# Altium PCB PA_8CH_CTRL.PcbDoc (part 9 of 11)
Units mil, origin at the board's own origin, x right, y up, seen from the top; angles counter-clockwise.
Board outline 15354.33 x 4330.71 mil, 4 copper layers (Component Side, Signal Layer 1, Power Plane, Solder Side), stack 63.149 mil thick; 907 components, 557 nets, 2683 pads, 1897 vias.
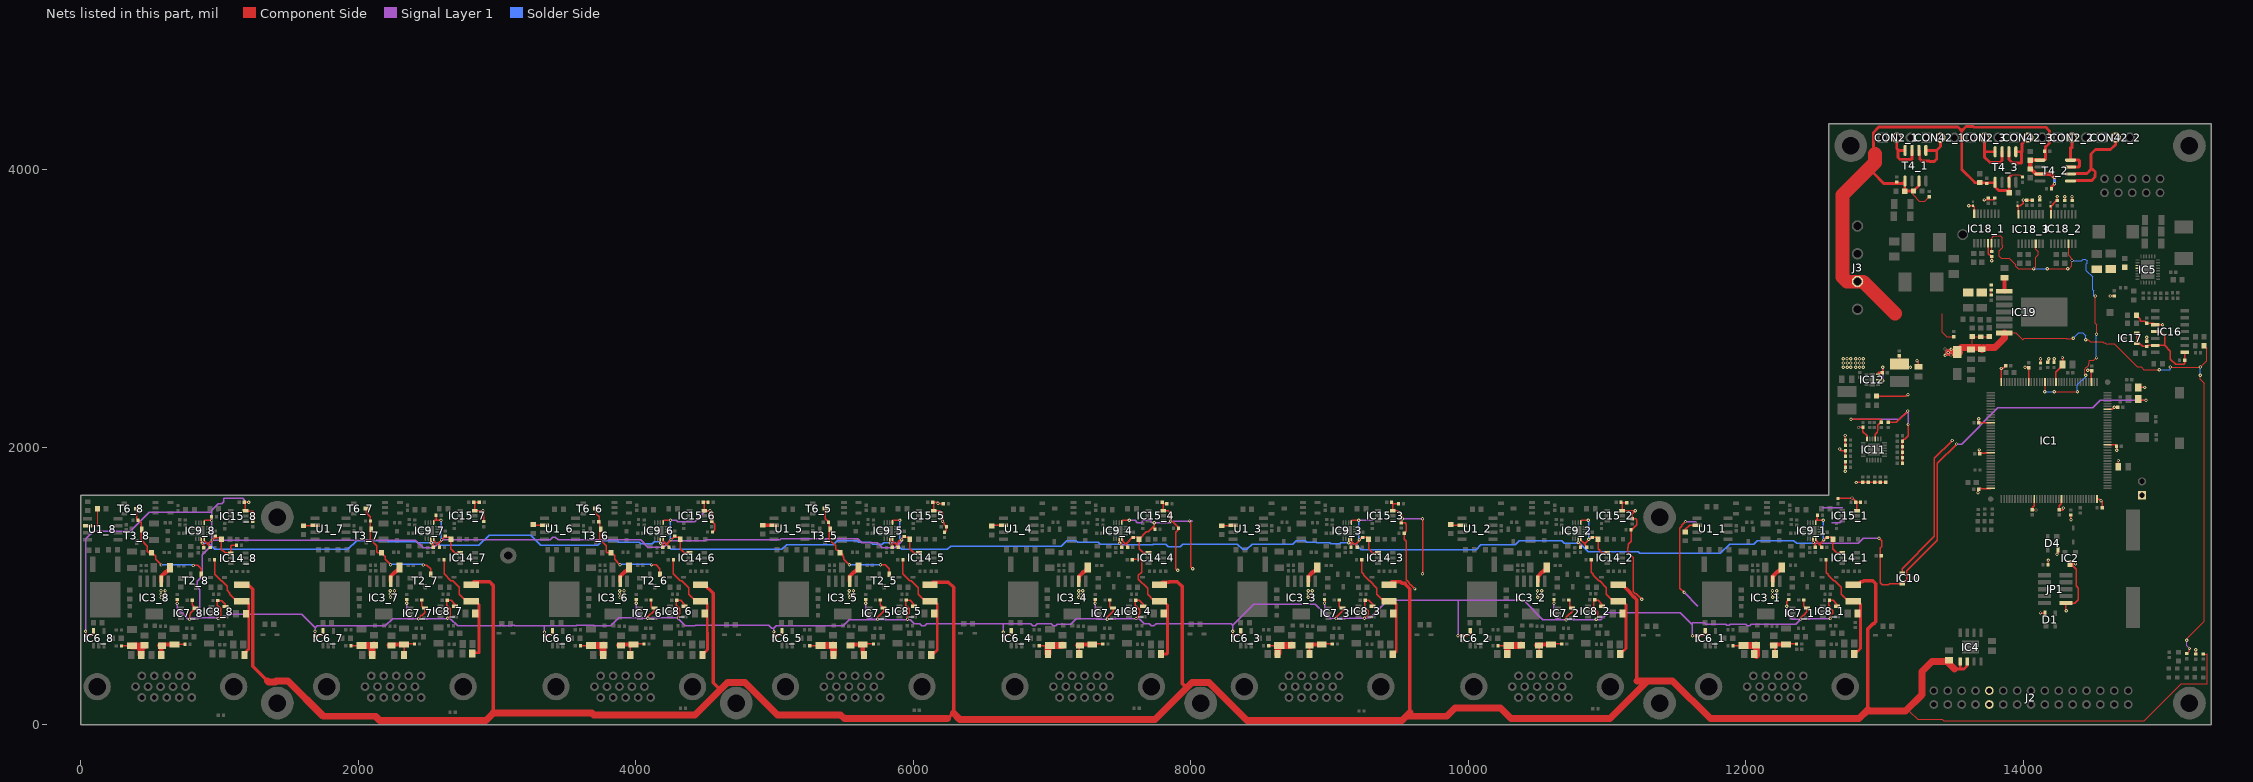
[diagram p11: the nets of this part, all layers, seen from the top]

## Via types
v1: diameter 23.62, hole 11.81, Component Side to Solder Side, tented both sides, 1569 vias
v2: diameter 23.62, hole 11.81, Component Side to Solder Side, 328 vias

## Nets (pads, with @x,y where several pads share a name; then routed paths per layer and width w, separated by ;. In a path a pad name is that pad's centre, name@x,y a point inside that pad or via, vN(x,y) a via of type N, cw(c..) or ccw(c..) an arc to the next point about the centre after c; other vN are vias at no path point) (continued)
NetR17_5_1: R17_5.1 R40_5.1 T2_5.1 T3_5.1 T6_5.3 | length 828.3
  Component Side w10: T6_5.3@5365.55,1559.29 5365.55,1486.65 5395.04,1457.17 5395.04,1334.73 5439.63,1290.14 5439.63,1265.59 5446.07,1259.14 5453.37,1259.14 5454.18,1258.33 5460.93,1258.33 5490,1229.26 5490,1220 5500.71,1209.29 5500.71,1194.11 5539.63,1155.18 v1(5539.63,1153.14) ; v1(5764,1155) 5798.84,1155 5828.03,1125.81 T2_5.1@5828.03,1085.28
  Solder Side w10: v1(5539.63,1153.14) 5762.14,1153.14 v1(5764,1155)
NetR17_6_1: R17_6.1 R40_6.1 T2_6.1 T3_6.1 T6_6.3 | length 840.1
  Component Side w10: T6_6.3@3712.01,1559.29 3712.01,1522.99 3735.66,1499.34 3735.66,1470.83 3741.5,1465 3741.5,1334.73 3786.09,1290.14 3786.09,1265.38 3787.22,1264.24 3787.22,1247.78 3795,1240 R17_6.1@3821.5,1240 ; R17_6.1@3821.5,1240.14 R17_6.1@3826.12,1240.14 ; R17_6.1@3825.98,1240 R17_6.1@3826.12,1240.14 ; v1(3886.09,1153.14) 3886.09,1155.18 3847.16,1194.11 3847.16,1219.09 R17_6.1@3826.12,1240.14 ; v1(4114,1153) 4147.3,1153 4174.49,1125.81 T2_6.1@4174.49,1085.28
  Solder Side w10: v1(3886.09,1153.14) 3889.71,1156.76 4110.24,1156.76 v1(4114,1153)
NetR17_7_1: R17_7.1 R40_7.1 T2_7.1 T3_7.1 T6_7.3 | length 837
  Component Side w10: T6_7.3@2058.46,1559.29 2058.46,1529.54 2087.95,1500.05 2087.95,1334.73 2132.54,1290.14 2132.54,1247.46 2139.86,1240.14 R17_7.1@2166.5,1240.14 ; R17_7.1@2166.5,1240 2193.62,1212.87 2193.62,1194.11 2232.54,1155.18 v1(2232.54,1153.14) ; v1(2469,1152) 2494.76,1152 2520.94,1125.81 T2_7.1@2520.94,1085.28
  Solder Side w10: v1(2232.54,1153.14) 2236.17,1156.76 2464.24,1156.76 v1(2469,1152)
NetR17_8_1: R17_8.1 R40_8.1 T2_8.1 T3_8.1 T6_8.3 | length 838.1
  Component Side w10: T6_8.3@404.92,1558.15 404.92,1485.51 434.41,1456.02 434.41,1333.59 479,1289 479,1251.27 479.5,1250.77 479.5,1250.5 490,1240 R17_8.1@511.5,1240 516.5,1240 538.31,1218.18 540.08,1218.18 540.08,1192.49 579,1153.56 v1(579,1152) ; v1(810,1149) 843.07,1149 867.4,1124.67 T2_8.1@867.4,1084.13
  Solder Side w10: v1(579,1152) 582.62,1155.62 803.38,1155.62 v1(810,1149)
NetR26_1: R26.1 R27.2 | length 35.8
  Component Side w6: R27.2@13769.68,3097.24 R26.1@13769.68,3133.07
NetR29_1_1: R29_1.1 U1_1.6 | length 115.6
  Component Side w10: R29_1.1@11564.96,1389.76 11564.96,1409.09 11594.49,1438.62 U1_1.6@11649.02,1438.62
NetR29_2_1: R29_2.1 U1_2.6 | length 82.9
  Component Side w10: R29_2.1@9875,1442.91 9879.29,1438.62 U1_2.6@9956.1,1438.62
NetR29_3_1: R29_3.1 U1_3.6 | length 79.6
  Component Side w10: R29_3.1@8224.41,1435.04 8298.98,1435.04 U1_3.6@8302.56,1438.62
NetR29_4_1: R29_4.1 U1_4.6 | length 87.7
  Component Side w10: R29_4.1@6563.98,1432.09 6570.51,1438.62 U1_4.6@6649.02,1438.62
NetR29_5_1: R29_5.1 U1_5.6 | length 81.2
  Component Side w25: R29_5.1@4914.37,1438.98 4995.12,1438.98 U1_5.6@4995.47,1438.62
NetR29_6_1: R29_6.1 U1_6.6 | length 83.9
  Component Side w10: R29_6.1@3259.84,1442.91 3264.13,1438.62 U1_6.6@3341.93,1438.62
NetR29_7_1: R29_7.1 U1_7.6 | length 84.6
  Component Side w10: R29_7.1@1605.32,1435.04 1684.8,1435.04 U1_7.6@1688.39,1438.62
NetR29_8_1: R29_8.1 U1_8.6 | length 194.2
  Component Side w8: U1_8.6@47.78,1435 112.17,1435 124.29,1447.13 124.29,1553.86 R29_8.1@120.08,1558.07
OVERN: IC1.56 IC18_1.14 IC18_2.14 IC18_3.14 R23.2 | length 2758.6
  Component Side w6: R23.2@13771.65,3412.2 13771.65,3469.59 IC18_1.14@13770.77,3470.47 13770.77,3506.99 13787.4,3523.62 13833.66,3523.62 13848.43,3508.86 13848.43,3457.68 13851.38,3454.72 13851.38,3441.93 13827.76,3418.31 13827.76,3377.45 13841.63,3363.57 13897.74,3363.57 13946.71,3314.59 13946.71,3304.34 13964.97,3286.09 v2(14074.8,3286.09) 14089.67,3300.95 14089.67,3370.74 14106.14,3387.21 14106.14,3409.76 14089.67,3426.24 IC18_3.14@14089.67,3466.54 ; v2(14153.54,2401.57) 14156.47,2404.5 IC1.56@14156.47,2470.26 ; v2(14173.2,3287.39) v2(14320.84,3287.39) 14330.7,3287.39 14350.39,3307.09 v2(14350.39,3346.46) 14350.39,3359.39 14325.93,3383.86 14325.93,3467.48 IC18_2.14@14324.9,3468.5 ; v2(14222.44,2401.57) v2(14389.76,2401.57) ; v2(14448.82,2519.69) 14442.97,2525.54 14442.97,2563.84 14455.16,2576.03 14455.95,2576.03 14471.8,2591.87 14471.8,2602.65 14473.94,2604.8 14473.94,2623.55 14478.35,2627.95 14507.87,2627.95 14527.19,2647.27 v2(14527.19,2644.77) ; v2(14517.69,3090.54) 14517.69,2893.67 14527.56,2883.8 v2(14527.56,2814.96)
  Solder Side w6: v2(14074.8,3286.09) 14076.12,3287.4 v2(14173.2,3287.39) ; v2(14153.54,2401.57) v2(14222.44,2401.57) ; v2(14350.39,3346.46) 14419.29,3346.46 14430.25,3357.42 14447.7,3357.42 14459.76,3345.36 14459.76,3327.99 14454.26,3322.49 14454.26,3273.82 14500.19,3227.89 14500.19,3137.51 14509,3128.7 14509,3111.46 14507.87,3110.33 v2@14507.87,3090.55 ; v2(14389.76,2401.57) 14389.76,2450.79 14448.82,2509.84 v2(14448.82,2519.69) ; v2(14527.19,2644.77) 14527.19,2814.59 v2(14527.56,2814.96)
P1V25_REF: IC16.4 IC16.6 IC16.8 IC17.1 IC17.2 R93.2 R100.1 | length 759.7
  Component Side w10: IC17.1@14816.93,2748.03 IC17.1@14825.79,2748.03 ; IC17.2@14816.93,2822.83 14816.93,2756.89 IC17.1@14825.79,2748.03 ; IC16.4@14949.77,2834.63 14991.59,2834.63 15017.59,2808.63 15017.59,2734.63 ; IC16.8@15162.37,2684.63 15162.92,2684.07 R93.2@15162.92,2626.8 15162.92,2605.31 15156.04,2598.43 15098.43,2598.43 15060.42,2636.43 15060.42,2691.8 15017.59,2734.63 ; IC17.1@14825.79,2748.03 14839.19,2748.03 14859.66,2727.56 R100.1@14888.78,2727.56 14895.85,2734.63 IC16.6@14949.77,2734.63 15017.59,2734.63
P2V5_REF: C51_1.1 C51_2.1 C51_3.1 C51_4.1 C51_5.1 C51_6.1 C51_7.1 C51_8.1 C52.1 FB2.2 IC9_1.15 IC9_2.15 IC9_3.15 IC9_4.15 IC9_5.15 IC9_6.15 IC9_7.15 IC9_8.15 IC10.2 | length 16347.3
  Component Side w10: IC9_8.15@869.84,1340.79 869.84,1316.16 v1(876,1310) 887,1299 C51_8.1@887,1277.72 ; v1@2523.39,1317.3 IC9_7.15@2523.39,1341.93 ; v1@2527.84,1312.84 2540.54,1300.14 C51_7.1@2540.54,1278.86 ; IC9_6.15@4176.93,1341.93 4176.93,1311.07 v1(4179,1309) ; v1@4182.11,1312.11 4194.09,1300.14 C51_6.1@4194.09,1278.86 ; v1@5830.47,1317.3 IC9_5.15@5830.47,1341.93 ; v1@5834.89,1312.89 5847.63,1300.14 C51_5.1@5847.63,1278.86 ; IC9_4.15@7484.02,1341.93 7484.02,1317.3 7501.17,1300.14 C51_4.1@7501.17,1278.86 ; v1@9137.56,1317.3 IC9_3.15@9137.56,1341.93 ; v1@9140.43,1314.43 9154.72,1300.14 C51_3.1@9154.72,1278.86 ; v1(10793,1315) 10792,1316 10792,1316.4 10808.26,1300.14 C51_2.1@10808.26,1278.86 ; IC9_1.15@12484.02,1341.93 12484.02,1317.3 v1@12487.16,1314.16 ; v1(12487,1314) v1@12487.16,1314.16 ; C51_1.1@12501.17,1278.86 12501.17,1300.14 v1@12487.16,1314.16 ; v1(12960,1345) 12978.81,1326.19 12978.81,1285.55 12970.19,1276.93 12970.19,1022.55 12983.55,1009.19 13026.45,1009.19 13035.86,1018.6 IC10.2@13126.76,1018.6 13132.6,1018.6 13158.43,1044.43 13158.43,1111.43 13379,1332 13379,1884 v1(13519,2024) ; FB2.2@14828.43,2350 14838.43,2340 v1(14884,2340)
  Signal Layer 1 w10: v1(12487,1314) 12490.67,1310.33 12810.24,1310.33 12844.72,1344.81 v1@12957,1344.81 ; v1(13519,2024) 13555,2024 13815,2284 14499,2284 14555,2340 v1(14884,2340)
  Solder Side w10: v1(876,1310) 919.42,1310 965.02,1264.4 1924.4,1264.4 1987.95,1327.95 2211.99,1327.95 2219.94,1320 2419,1320 2427.81,1311.19 2526.19,1311.19 v1(2527,1312) 2528,1311 2573.1,1311 2588.91,1295.19 2869.99,1295.19 2942.91,1368.11 3244.01,1368.11 3316.93,1295.19 3725.99,1295.19 3758.75,1327.95 3865.54,1327.95 3876.49,1317 4024,1317 4035.81,1305.19 4117.99,1305.19 4131.8,1319 4169,1319 v1(4179,1309) 4206.74,1309 4209.74,1312 4257.34,1264.4 5052.63,1264.4 5086.56,1298.33 5423.56,1298.33 5453.18,1327.95 5596.31,1327.95 5607.31,1316.95 5693.25,1316.95 5707.2,1303 5778,1303 5786,1311 v1(5833,1311) 5859.74,1311 5862.74,1314 5864.55,1312.19 5870.81,1312.19 5918.6,1264.4 6244.73,1264.4 6268.52,1288.19 7066.96,1288.19 7106.72,1327.95 7172.62,1327.95 7185.57,1315 7228.77,1315 7230.72,1316.95 7334.05,1316.95 7347.81,1303.19 7481.19,1303.19 v1(7488,1310) 7488,1316 7505.67,1298.33 7725.07,1298.33 7729.55,1302.81 7819.36,1302.81 7838.09,1284.08 7923.31,1284.08 7942.04,1302.81 8335.92,1302.81 8374.58,1264.15 8403.42,1264.15 8442.08,1302.81 8735.13,1302.81 8760.27,1327.95 8826.17,1327.95 8837.17,1316.95 8903.17,1316.95 8908.12,1312 9003.2,1312 9010.01,1305.19 9074.42,1305.19 9081.23,1312 v1(9138,1312) 9143,1312 9151.4,1303.6 9189.6,1303.6 9229.59,1263.61 10056.42,1263.61 10091.14,1298.33 10339.13,1298.33 10368.75,1327.95 10673.82,1327.95 10692.58,1309.19 10787.19,1309.19 v1(10793,1315) 10796,1315 10864.13,1246.87 11223.37,1246.87 11234.24,1236 11816.82,1236 11883.01,1302.19 12055.99,1302.19 12081.75,1327.95 12346.13,1327.95 12366.9,1307.19 12480.19,1307.19 v1(12487,1314)
P3V3: C5.1 C6.1 C7.1 C8.1 C9.1 C10.1 C11.1 C12.1 C13.1 C14.1 C15.1 C16.1 C43_1.2 C43_2.2 C43_3.2 C43_4.2 C43_5.2 C43_6.2 C43_7.2 C43_8.2 C45_1.2 C45_2.2 C45_3.2 C45_4.2 C45_5.2 C45_6.2 C45_7.2 C45_8.2 C47_1.2 C47_2.2 C47_3.2 C47_4.2 C47_5.2 C47_6.2 C47_7.2 C47_8.2 C50_1.1 C50_2.1 C50_3.1 C50_4.1 C50_5.1 C50_6.1 C50_7.1 C50_8.1 C53.1 C55.2 C56.2 C60_1.2 C60_2.2 C60_3.2 C60_4.2 C60_5.2 C60_6.2 C60_7.2 C60_8.2 C65.1 C113_1.2 C113_2.2 C113_3.2 D1.4 D4.4 FB1.2 IC1.17 IC1.30 IC1.39 IC1.52 IC1.62 IC1.72 IC1.84 IC1.95 IC1.108 IC1.121 IC1.131 IC1.144 IC2.3 IC6_1.5 IC6_2.5 IC6_3.5 IC6_4.5 IC6_5.5 IC6_6.5 IC6_7.5 IC6_8.5 IC7_1.5 IC7_2.5 IC7_3.5 IC7_4.5 IC7_5.5 IC7_6.5 IC7_7.5 IC7_8.5 IC8_1.5 IC8_2.5 IC8_3.5 IC8_4.5 IC8_5.5 IC8_6.5 IC8_7.5 IC8_8.5 IC9_1.5 IC9_1.16 IC9_2.5 IC9_2.16 IC9_3.5 IC9_3.16 IC9_4.5 IC9_4.16 IC9_5.5 IC9_5.16 IC9_6.5 IC9_6.16 IC9_7.5 IC9_7.16 IC9_8.5 IC9_8.16 IC10.1 IC11.21 IC11.24 IC12.8 IC12.10 IC14_1.1 IC14_2.1 IC14_3.1 IC14_4.1 IC14_5.1 IC14_6.1 IC14_7.1 IC14_8.1 IC15_1.3 IC15_2.3 IC15_3.3 IC15_4.3 IC15_5.3 IC15_6.3 IC15_7.3 IC15_8.3 IC16.3 IC18_1.8 IC18_1.13 IC18_2.8 IC18_3.8 J2.21 J2.22 JP1.1 JP2.1 L2.2 R1.1 R5.1 R6.1 R14.2 R22.1 R23.1 R24.1 R25.1 R32_1.1 R32_2.1 R32_3.1 R32_4.1 R32_5.1 R32_6.1 R32_7.1 R32_8.1 R51_1.1 R51_2.1 R51_3.1 R51_4.1 R51_5.1 R51_6.1 R51_7.1 R51_8.1 R52_1.1 R52_2.1 R52_3.1 R52_4.1 R52_5.1 R52_6.1 R52_7.1 R52_8.1 R57_1.2 R57_2.2 R57_3.2 R57_4.2 R57_5.2 R57_6.2 R57_7.2 R57_8.2 R60.1 R61.2 R62.1 R63.2 R64.2 R65.2 R68.2 R70.2 R71.2 R72.2 R73.2 R74.2 R75.2 R76.2 R77.2 R78.2 R79.2 R80.2 R81.2 R89_1.2 R89_2.2 R89_3.2 R89_4.2 R89_5.2 R89_6.2 R89_7.2 R89_8.2 R92.1 R94.1 R100.2 R107_1.2 R107_2.2 R107_3.2 R107_4.2 R107_5.2 R107_6.2 R107_7.2 R107_8.2 R111.2 R112.2 R113.2 R147_1.2 R147_2.2 R147_3.2 R148_1.2 R148_2.2 R148_3.2 | length 44334.8
  Component Side w10: v1(35,675) C43_8.2@35,641.57 71.57,641.57 IC6_8.5@93,663 ; v1(696,875) R51_8.1@696,902.5 ; v1(786,762) 786,789.46 790.95,794.41 790.95,806.03 IC7_8.5@826.18,841.26 802.72,864.72 C47_8.2@802.72,898.86 ; IC9_8.16@889.53,1340.79 889.53,1328.73 913,1305.26 913,1304 ; IC9_8.5@889.53,1456.93 889.53,1467.53 895,1473 v1(943,1473) 941.5,1474.5 R32_8.1@941.5,1500 ; C45_8.2@929.28,1278 929.28,1287.72 913,1304 ; v1(991,767) 1009,785 1009,801.74 1010.81,803.55 1010.81,835.19 984.16,861.84 984.16,896 C50_8.1@988.72,896 1016,896 1042.18,869.82 IC8_8.5@1042.18,852.4 ; R52_8.1@1121.5,1295 1090,1295 1080.85,1285.85 IC14_8.1@1080.85,1239.4 1041.6,1239.4 1013.7,1267.3 R107_8.2@1013.7,1337.8 1001.14,1350.35 965,1350.35 v1(946.65,1332) 918.65,1304 913,1304 ; C60_8.2@1186.93,1607.07 IC15_8.3@1186.93,1542.52 1191.26,1538.19 1241.01,1538.19 1247,1532.2 1247,1516.5 1248.21,1515.28 1248.21,1473.41 R89_8.2@1240.16,1465.35 ; C60_8.2@1189.67,1604.33 v1(1210.63,1604.33) ; v1(1688.54,675.46) C43_7.2@1688.54,642.72 1725.12,642.72 IC6_7.5@1746.54,664.14 ; v1(2349.54,876.14) R51_7.1@2349.54,903.64 ; v1(2435,764) 2447.07,776.07 2447.07,783.97 2453.51,790.41 2461.41,790.41 2479.72,808.72 IC7_7.5@2479.72,842.4 2469.6,842.4 2456.26,855.74 C47_7.2@2456.26,900 ; IC9_7.16@2543.07,1341.93 2543.07,1328.67 2566.54,1305.2 2566.54,1305.14 ; IC9_7.5@2543.07,1458.07 2543.07,1468.67 2548.54,1474.14 2565,1474.14 ; R32_7.1@2561.5,1510 2561.5,1477.65 2565,1474.14 ; C45_7.2@2582.83,1279.14 2582.83,1288.86 2566.54,1305.14 ; v1(2596.54,1474.14) 2565,1474.14 ; v1(2644,768) 2664.07,788.07 2664.07,796.11 2664.35,796.39 2664.35,836.33 2637.7,862.98 2637.7,897.14 2669.54,897.14 2695.72,870.96 IC8_7.5@2695.72,853.54 ; IC14_7.1@2734.39,1240.54 2695.14,1240.54 2667.24,1268.44 R107_7.2@2667.24,1338.94 2654.69,1351.5 2618.54,1351.5 v1(2600.19,1333.14) 2600.19,1331.93 2573.4,1305.14 2566.54,1305.14 ; C60_7.2@2832.6,1604.69 2832.91,1605 C60_7.2@2840.47,1605 ; R52_7.1@2871.5,1605 C60_7.2@2840.47,1605 ; R89_7.2@2903.54,1465.35 2903.54,1538.78 v1(2898.66,1543.66) IC15_7.3@2840.47,1543.66 C60_7.2@2840.47,1605 ; v1(3342.09,667.91) C43_6.2@3342.09,642.72 3378.66,642.72 IC6_6.5@3400.09,664.14 ; v1(4003.09,876.14) R51_6.1@4003.09,903.64 ; v1(4087,768) 4087,778 4133.27,824.27 IC7_6.5@4133.27,842.4 4119.6,842.4 4109.8,852.2 C47_6.2@4109.8,900 ; IC9_6.16@4196.61,1341.93 4196.61,1325.13 4216.6,1305.14 4220.09,1305.14 ; IC9_6.5@4196.61,1458.07 4196.61,1468.67 4202.09,1474.14 v1(4250.09,1474.14) ; C45_6.2@4236.37,1279.14 4236.37,1288.86 4220.09,1305.14 ; v1(4305,770) 4305,791.8 4317.9,804.69 4317.9,836.33 4291.24,862.98 4291.24,897.14 4323.09,897.14 4349.27,870.96 IC8_6.5@4349.27,853.54 ; IC14_6.1@4387.94,1240.54 4348.69,1240.54 4320.79,1268.44 R107_6.2@4320.79,1338.94 4308.23,1351.5 4272.09,1351.5 v1(4253.73,1333.14) 4225.73,1305.14 4220.09,1305.14 ; C60_6.2@4489.67,1608.21 C60_6.2@4494.02,1608.21 ; R52_6.1@4521.5,1605 4518.28,1608.21 C60_6.2@4494.02,1608.21 ; R32_6.1@4553.5,1390 4555,1390 4570.45,1405.45 4570.45,1444.77 4549.86,1465.35 R89_6.2@4547.24,1465.35 4557.09,1475.2 4557.09,1515.75 4529.17,1543.66 IC15_6.3@4494.02,1543.66 C60_6.2@4494.02,1608.21 ; v1(4995.63,671.37) C43_5.2@4995.63,642.72 5032.2,642.72 IC6_5.5@5053.63,664.14 ; v1(5656.63,876.14) R51_5.1@5656.63,903.64 ; v1(5744,761) 5744,776 5786.81,818.81 IC7_5.5@5786.81,842.4 5763.35,865.87 C47_5.2@5763.35,900 ; IC9_5.16@5850.16,1341.93 5850.16,1326.58 5871.6,1305.14 5873.63,1305.14 ; IC9_5.5@5850.16,1458.07 5850.16,1468.67 5855.63,1474.14 v1(5903.63,1474.14) ; C45_5.2@5889.91,1279.14 5889.91,1288.86 5873.63,1305.14 ; v1(5958,762) 5958,791.25 5971.44,804.69 5971.44,836.33 5944.79,862.98 5944.79,897.14 5976.63,897.14 6002.81,870.96 IC8_5.5@6002.81,853.54 ; IC14_5.1@6041.48,1240.54 6002.23,1240.54 5974.33,1268.44 R107_5.2@5974.33,1338.94 5961.77,1351.5 5925.63,1351.5 5916,1341.87 v1(5916,1333) 5907.13,1333 5879.28,1305.14 5873.63,1305.14 ; C60_5.2@6139.68,1604.69 C60_5.2@6147.56,1604.69 ; C60_5.2@6147.56,1608.21 C60_5.2@6147.56,1604.69 ; R52_5.1@6216.5,1595 6182,1595 6172.31,1604.69 C60_5.2@6147.56,1604.69 ; R32_5.1@6225,1388.5 6228.5,1388.5 6238.98,1398.98 R89_5.2@6238.98,1427.17 6238.98,1434.37 6231.56,1434.37 6224.39,1441.55 6224.39,1452.78 v2(6210.63,1466.54) 6210.63,1525.59 6192.56,1543.66 IC15_5.3@6147.56,1543.66 C60_5.2@6147.56,1604.69 ; v1(6649.17,668.83) C43_4.2@6649.17,642.72 6685.75,642.72 IC6_4.5@6707.17,664.14 ; v1(7310.17,876.14) R51_4.1@7310.17,903.64 ; v1(7397,761) 7397,774 7440.35,817.35 IC7_4.5@7440.35,842.4 7426.6,842.4 7416.89,852.11 C47_4.2@7416.89,900 ; IC9_4.16@7503.7,1341.93 7508.19,1337.44 7508.19,1323.55 7526.6,1305.14 7527.17,1305.14 ; IC9_4.5@7503.7,1458.07 7503.7,1468.67 7509.17,1474.14 v1(7557.17,1474.14) ; C45_4.2@7543.46,1279.14 7543.46,1288.86 7527.17,1305.14 ; v1(7605,766) 7624.7,785.7 7624.7,796.11 7631,802.41 7631,828 7605.17,853.83 7605.17,856.14 7598.33,862.98 7598.33,897.14 7630.17,897.14 7656.35,870.96 IC8_4.5@7656.35,853.54 ; IC14_4.1@7695.02,1240.54 7655.77,1240.54 7627.87,1268.44 R107_4.2@7627.87,1338.94 ; v2(7736.22,1456.69) 7736.22,1434.93 7726.29,1425 ; R32_4.1@7741.5,1410 7741.29,1410 7726.29,1425 ; C60_4.2@7793.23,1604.69 C60_4.2@7800.43,1597.48 ; R52_4.1@7826.5,1595 7802.91,1595 C60_4.2@7800.43,1597.48 ; v1(7905,1115) 7893.13,1126.87 7893.13,1389.63 7912.2,1408.71 R89_4.2@7912.2,1417.32 7912.2,1419.49 7865.16,1466.54 v2(7854.33,1466.54) 7851.19,1469.68 7851.19,1528.73 7836.26,1543.66 IC15_4.3@7801.1,1543.66 7800.43,1544.33 C60_4.2@7800.43,1597.48 ; v1(7990,1470) 7998.84,1461.16 7998.84,1240.55 8000,1239.39 8000,1140 v1(8015,1125) ; v1(8302.72,675.72) C43_3.2@8302.72,642.72 8339.29,642.72 IC6_3.5@8360.72,664.14 ; v1(8963.72,876.14) R51_3.1@8963.72,903.64 ; v1(9048,767) 9048,775 9093.9,820.9 IC7_3.5@9093.9,842.4 9083.6,842.4 9070.43,855.57 C47_3.2@9070.43,900 ; IC9_3.16@9157.24,1341.93 9161.19,1337.98 9161.19,1319.55 9175.6,1305.14 9180.72,1305.14 ; IC9_3.5@9157.24,1458.07 9157.24,1468.67 9162.72,1474.14 v1(9210.72,1474.14) ; C45_3.2@9197,1279.14 9197,1288.86 9180.72,1305.14 ; v1(9252,768) 9278,794 9278,804.17 9278.53,804.69 9278.53,823.59 9258.72,843.4 9258.72,856.14 9251.87,862.98 9251.87,897.14 9283.72,897.14 9309.9,870.96 IC8_3.5@9309.9,853.54 ; IC14_3.1@9348.57,1240.54 9309.31,1240.54 9281.42,1268.44 R107_3.2@9281.42,1338.94 9268.86,1351.5 R57_3.2@9240,1351.5 9232.72,1351.5 v1(9214.36,1333.14) 9214.36,1327.1 9192.4,1305.14 9180.72,1305.14 ; C60_3.2@9446.77,1602.87 C60_3.2@9454.65,1595 ; C60_3.2@9454.65,1604.69 C60_3.2@9454.65,1608.21 ; R52_3.1@9496.5,1595 C60_3.2@9454.65,1595 ; v1(9615,980) 9615,982.1 9585.91,1011.19 9582.55,1011.19 9569.19,1024.55 9569.19,1027.91 9552.19,1044.91 9552.19,1069.45 9552.84,1070.1 9552.84,1325.13 9538.5,1339.47 R32_3.1@9538.5,1380 9553.5,1395 9553.5,1446.5 9544.49,1455.51 R89_3.2@9517.72,1455.51 9517.72,1480.72 v1(9523,1486) 9523,1510 9489.34,1543.66 IC15_3.3@9454.65,1543.66 C60_3.2@9454.65,1595 ; v1(9670,1090) v1(9670,1485) ; v1(9925.72,642.72) C43_2.2@9956.26,642.72 9992.83,642.72 IC6_2.5@10014.26,664.14 ; v1(10617.26,876.14) R51_2.1@10617.26,903.64 ; v1(10705,758) 10705,774.18 10721.23,790.41 10721.41,790.41 10747.44,816.44 IC7_2.5@10747.44,842.4 10732,857.84 10732,891.98 C47_2.2@10723.98,900 ; IC9_2.16@10810.79,1341.93 10810.79,1330.95 10834.26,1307.48 10834.26,1305.14 ; IC9_2.5@10810.79,1458.07 10810.79,1468.67 10816.26,1474.14 v1(10864.26,1474.14) ; C45_2.2@10850.54,1279.14 10850.54,1288.86 10834.26,1305.14 ; 10931.79,772.79 10931.79,811.47 10905.42,837.84 10905.42,897.14 10937.26,897.14 10963.44,870.96 IC8_2.5@10963.44,853.54 ; IC14_2.1@11002.11,1240.54 10962.86,1240.54 10934.96,1268.44 R107_2.2@10934.96,1338.94 10922.4,1351.5 R57_2.2@10893,1351.5 10886.26,1351.5 10871.55,1336.79 10871.34,1337 v1(10868,1337) 10868,1333.74 10839.4,1305.14 10834.26,1305.14 ; C60_2.2@11100.31,1604.69 11105,1600 C60_2.2@11108.19,1600 ; R52_2.1@11141.5,1600 C60_2.2@11108.19,1600 ; v1(11250,905) 11209.81,945.19 11202.55,945.19 11189.19,958.55 11189.19,1205.33 11148.43,1246.09 11148.43,1279.13 11151.02,1281.72 11151.02,1301.42 11173.5,1323.91 R32_2.1@11173.5,1405 11177.25,1405 11215,1442.75 11215,1480 11209.96,1485.04 R89_2.2@11181.1,1485.04 11181.1,1522.1 v1(11202.66,1543.66) IC15_2.3@11108.19,1543.66 C60_2.2@11108.19,1600 ; v1(11555,955) 11525,985 11525,1416.68 11538.06,1429.74 11538.06,1438.06 v1(11565,1465) ; v1(11615.28,642.72) C43_1.2@11649.17,642.72 11685.75,642.72 IC6_1.5@11707.17,664.14 ; v1(12295,855) 12295,888.46 R51_1.1@12310.17,903.64 ; v1(12397,762) 12397,773.27 12414.14,790.41 12416.41,790.41 12440.35,814.35 IC7_1.5@12440.35,842.4 12428.6,842.4 12416.89,854.11 C47_1.2@12416.89,900 ; IC9_1.16@12503.7,1341.93 12503.7,1329.56 12509.81,1323.45 12509.81,1321.93 12526.6,1305.14 12527.17,1305.14 ; R32_1.1@12516.5,1510 12516.5,1481.46 12509.17,1474.14 v1(12557.17,1474.14) ; C45_1.2@12543.46,1279.14 12543.46,1288.86 12527.17,1305.14 ; v1(12609,766) 12609,788.71 12624.98,804.69 12624.98,823.59 12605.17,843.4 12605.17,856.14 12598.33,862.98 12598.33,897.14 12630.17,897.14 12656.35,870.96 IC8_1.5@12656.35,853.54 ; R89_1.2@12664.17,1630.65 12664.17,1631.89 12691.66,1631.89 12693.72,1633.95 v1@12768.49,1633.95 ; v1(12676,1988) 12689.49,1974.51 R64.2@12717.36,1974.51 R65.2@12717.36,1935.14 ; IC14_1.1@12695.02,1240.54 12655.77,1240.54 12627.87,1268.44 R107_1.2@12627.87,1338.94 12615.31,1351.5 R57_1.2@12586,1351.5 12579.17,1351.5 v1(12560.82,1333.14) 12560.82,1330.56 12535.4,1305.14 12527.17,1305.14 ; v1(12717.36,1828.64) R70.2@12717.36,1856.4 R68.2@12717.36,1895.77 ; R63.2@12717.36,2013.88 R61.2@12717.36,2053.25 v1(12717.36,2085.64) ; v1(12758,2203) 12972,2203 R60.1@12972,2180.5 ; v1(12765,1635) 12767.45,1635 v1@12768.49,1633.95 ; C60_1.2@12793.23,1604.69 12793.54,1605 C60_1.2@12797.45,1605 ; v1(12796,1746) 12799,1749 R71.2@12841.82,1749 R72.2@12881.19,1749 R73.2@12930.4,1749 R74.2@12969.77,1749 R75.2@13009.14,1749 ; IC15_1.3@12801.1,1543.66 12801.1,1601.34 C60_1.2@12797.45,1605 ; v1(12812,2143) 12812.8,2143.8 C53.1@12844.13,2143.8 12844.13,2113.87 12873.66,2084.34 IC11.24@12873.66,2061.13 ; R52_1.1@12826.5,1605 C60_1.2@12797.45,1605 ; IC11.21@12932.72,2061.13 12932.72,2095.92 12946.72,2109.92 12946.72,2112.72 12952,2118 12952,2159 12973.5,2180.5 R60.1@12977,2180.5 ; R81.2@12942.69,2370.26 12942.69,2367.25 13154.26,2367.25 v1@13167.5,2380.5 ; IC12.8@12952.54,2488.37 12953.91,2487 12981,2487 v1(12988,2480) ; C55.2@12983.28,2538 12987,2541.72 v1(12987,2577) ; R62.1@13026,2180.5 13084.5,2180.5 v1(13166,2262) ; C65.1@13107,2659.28 13108.05,2658.24 L2.2@13108.05,2600.57 ; IC10.1@13126.76,1093.4 13126.76,1125.76 13359,1358 13359,1921 v1(13487,2049) ; R76.2@13128.39,1885.93 R77.2@13128.39,1925.3 R78.2@13128.39,1964.67 R79.2@13128.39,2004.04 R80.2@13128.39,2043.41 13128.39,2048.2 13139.76,2059.57 13144.36,2059.57 13169.29,2084.51 v2(13169.29,2165.35) ; v1(13234,2624) 13244,2614 C56.2@13244,2581.43 ; v2(13607.28,3742.13) 13608.27,3741.14 C113_1.2@13637.8,3741.14 13645.77,3733.17 IC18_1.8@13645.77,3683.07 ; v1(13673,1672) 13674.78,1673.78 13674.78,1699 13680.29,1704.51 13695.23,1704.51 13697.55,1702.19 13762.42,1702.19 IC1.108@13764.74,1704.51 ; v1(13679,2207) 13675.78,2203.78 13675.78,2177 13675.83,2176.95 IC1.84@13764.74,2176.95 ; v1(13681.78,1981.78) 13681.78,1954 13688.2,1960.42 13699.53,1960.42 13702.65,1957.29 13721.55,1957.29 13724.68,1960.42 IC1.95@13764.74,1960.42 ; v2(13718.5,3783.46) 13718.7,3783.27 13795.28,3783.27 ; IC18_1.13@13745.77,3470.47 13748.45,3467.79 13748.45,3396.23 13754.89,3389.79 13757.06,3389.79 R23.1@13771.65,3375.2 13771.65,3346.46 v2(13772.64,3345.47) ; v1(13840,2569) 13840,2471.77 IC1.72@13841.51,2470.26 ; v1@13840,2569.78 13845.65,2564.13 13851.22,2569.7 13853.98,2569.7 C14.1@13873.28,2589 ; IC18_3.8@13964.67,3679.13 13964.67,3733.17 C113_3.2@13957.68,3740.16 13978.35,3740.16 13999.02,3760.83 v2(13999.02,3782.48) 14000.2,3781.3 R24.1@14025.59,3781.3 R148_3.2@14063.98,3781.3 ; v1(14012.22,2577.22) 14038,2577.22 14038.36,2576.86 IC1.62@14038.36,2470.26 ; C11.1@14063,1546.78 C11.1@14063,1550.72 14063,1566 14077.73,1580.73 IC1.121@14077.73,1627.74 ; C11.1@14069,1548.78 v1(14090.78,1548.78) ; R147_3.2@14118.11,3782.28 14118.11,3806.1 v2(14119.09,3807.09) ; v2(14124.02,807.09) 14127.95,803.15 D1.4@14155.51,803.15 ; R25.1@14124.02,2607.09 v2(14124.02,2637.8) ; R113.2@14177,2613.5 14183.07,2619.57 v1(14183.07,2637.8) ; R1.1@14178.5,1154 v1(14178.5,1187.5) ; IC18_2.8@14199.9,3681.1 14199.9,3734.15 C113_2.2@14195.87,3738.19 14200.6,3738.19 14214.74,3752.33 14214.74,3757.06 14236.02,3778.35 R22.1@14244.09,3778.35 14244.09,3805.12 14246.06,3807.09 14245.88,3807.27 v2(14243.81,3807.27) ; R112.2@14221,2613.5 14222.44,2614.94 v1(14222.44,2637.8) ; IC1.52@14235.21,2470.26 14235.21,2542.21 C10.1@14273,2580 ; v2(14242.13,1230.31) 14250,1238.19 D4.4@14250,1263.78 ; IC1.131@14274.58,1627.74 14274.58,1594.58 14260,1580 C13.1@14260,1550.72 14260,1546.78 14279.05,1546.78 14288,1555.73 v1(14288,1563) ; v1(14281.5,2647.64) 14281.5,2639.36 14282.57,2640.43 C10.1@14282.57,2597 ; R148_2.2@14299.21,3778.35 v2(14299.21,3807.09) ; v1(14310,822) 14306.77,825.23 JP1.1@14306.77,878 14308.79,875.98 14370.08,875.98 14394.81,900.72 14394.81,986.45 14379.92,1001.34 14379.92,1123.08 14341,1162 v1(14376,1162) ; v1(14343,1479) R6.1@14343,1511.5 ; v2(14350.39,3806.1) 14351.38,3807.09 R147_2.2@14351.38,3778.35 ; v1(14463.78,2555.22) 14493,2555.22 14491.12,2553.34 IC1.39@14491.12,2470.26 ; IC1.144@14530.49,1627.74 14547.12,1627.74 v1(14560,1614.86) 14568.23,1606.63 R5.1@14568.23,1563.05 ; IC1.17@14607.26,2019.47 14664.75,2019.47 14675.22,2009 14673,2006.78 v1(14673,1980) ; IC1.30@14607.26,2275.38 14640.38,2275.38 14654,2289 C7.1@14679.22,2289 ; v1(14625.98,3090.55) 14627.17,3091.73 R14.2@14655.51,3091.73 ; C16.1@14684.57,1860 14684.57,1904.57 v1(14685,1905) ; R94.1@14814.96,2952.76 14843.68,2924.04 14843.68,2913.39 14847.59,2909.47 14874.19,2909.47 R92.1@14888.78,2894.88 14939.52,2894.88 IC16.3@14949.77,2884.63 v1(15003.59,2884.63) ; FB1.2@14827.43,2432 v1(14874,2432) ; R100.2@14888.78,2764.57 v1(14888.78,2794.44) ; R111.2@15242.05,509.72 v1(15242.05,541.21) ; 7527.17,1305.14 7535.4,1305.14 7560.82,1330.56 7560.82,1333.14 7579.17,1351.5 R57_4.2@7586,1351.5 7615.31,1351.5 R107_4.2@7627.87,1338.94 ; R107_4.2@7627.87,1338.94 7628.31,1338.94 7680.7,1391.33 7692.62,1391.33 7726.29,1425 ; v1@12768.49,1633.95 12769,1634.46 12787.81,1615.65 C60_1.2@12787.81,1614.64 ; v1@12768.49,1633.95 C60_1.2@12787.81,1614.64 ; C60_1.2@12787.81,1614.64 C60_1.2@12797.45,1605